# Altium PCB LimeSDR-PCIe_1v3.PcbDoc (part 3 of 10) (continued)
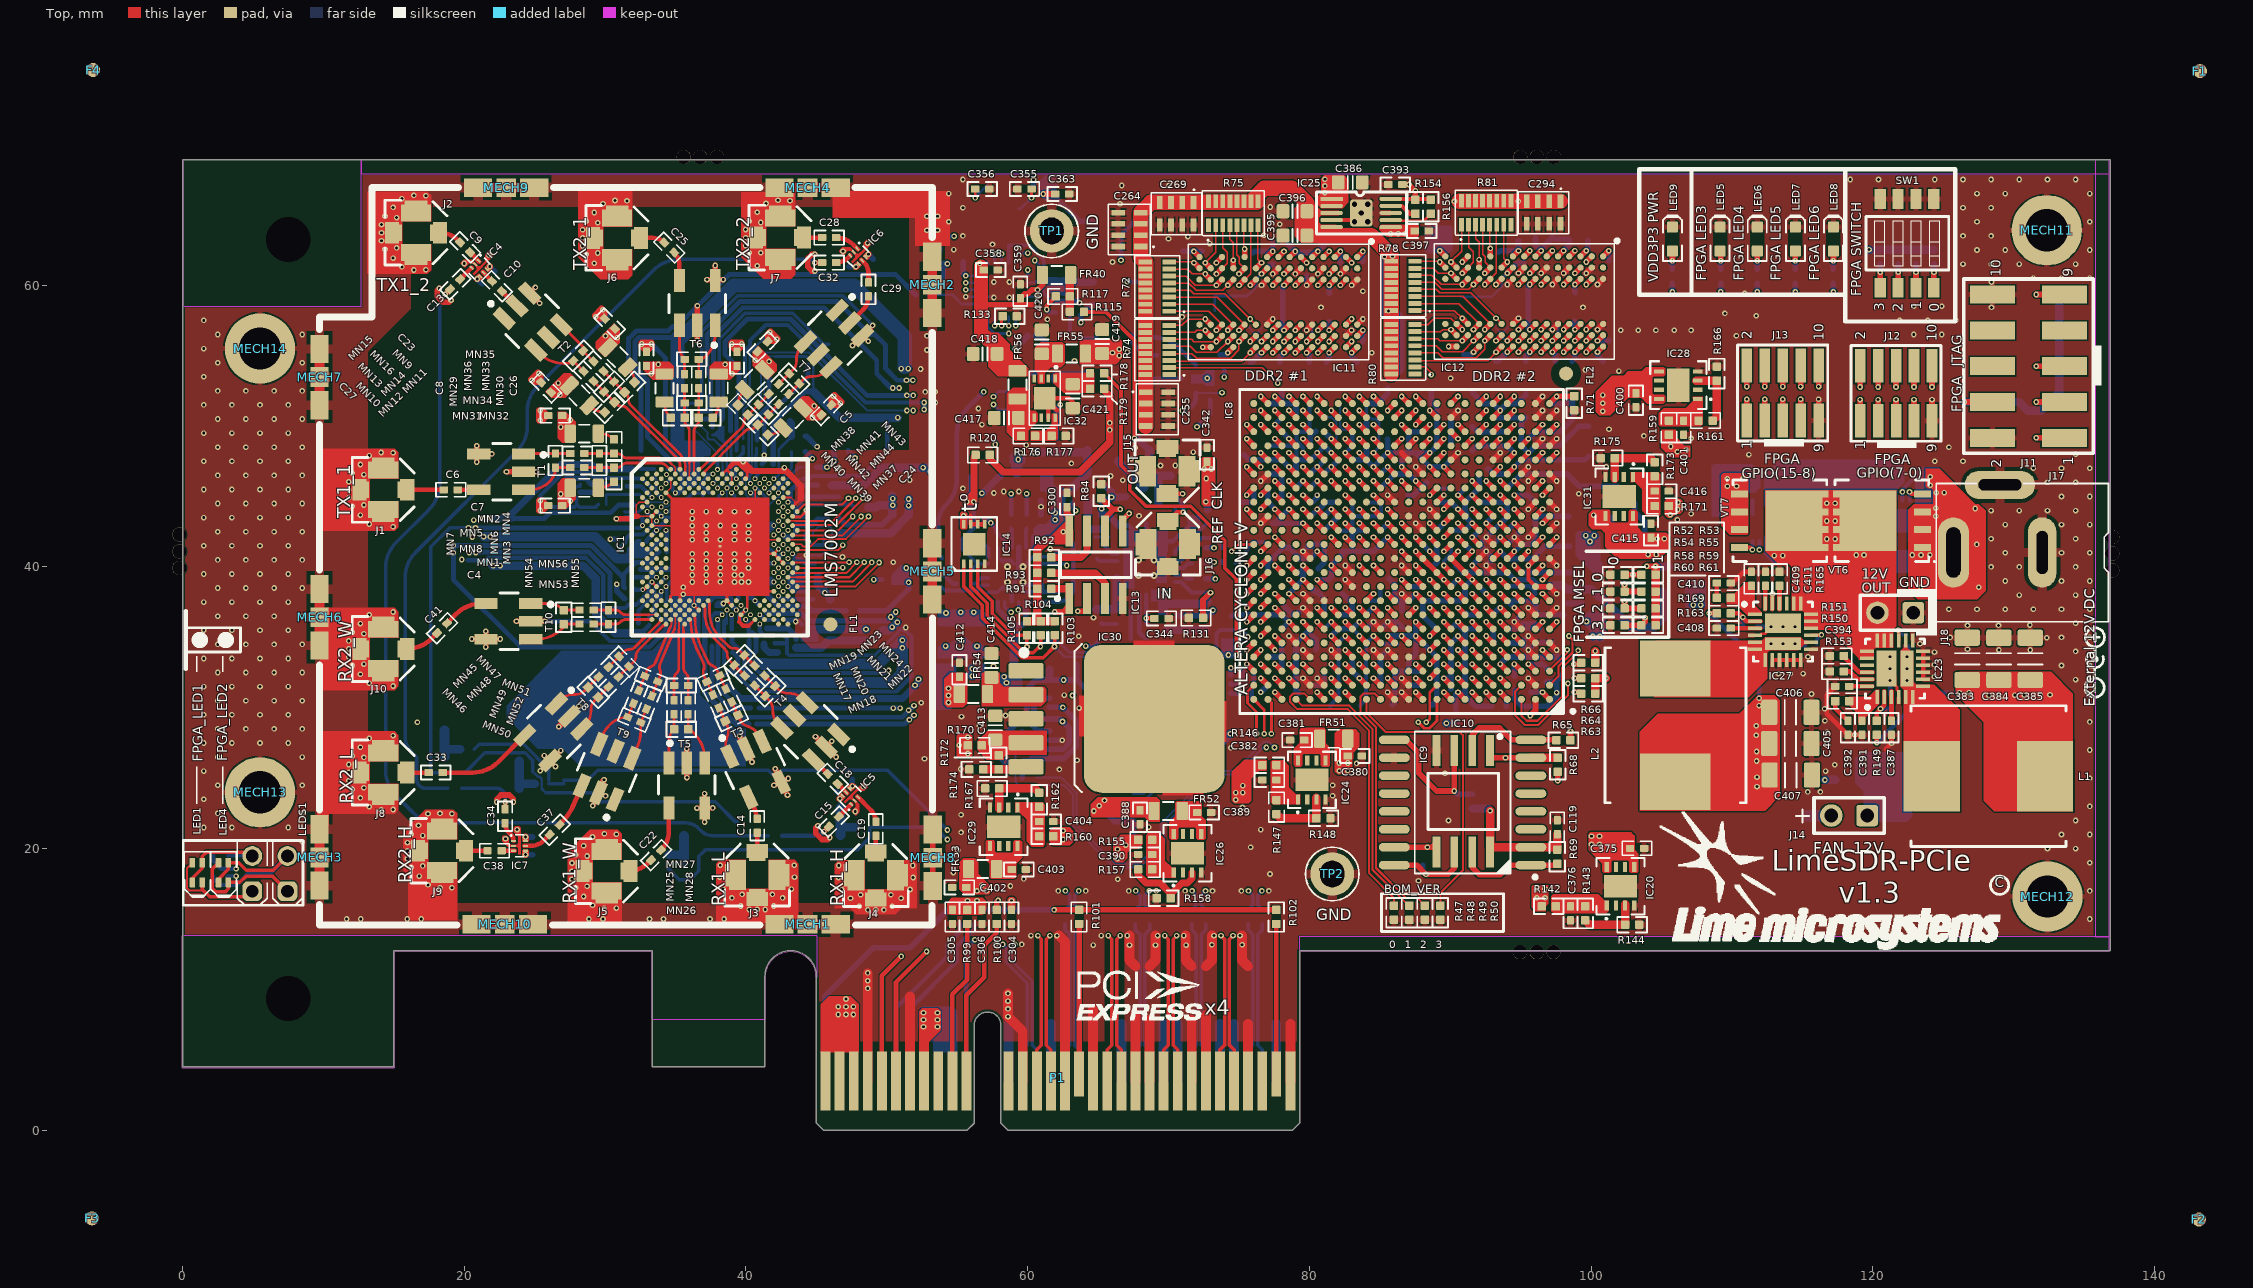
[diagram p0: Top view]
## Nets (pads, with @x,y where several pads share a name; then routed paths per layer and width w, separated by ;. In a path a pad name is that pad's centre, name@x,y a point inside that pad or via, vN(x,y) a via of type N, cw(c..) or ccw(c..) an arc to the next point about the centre after c; other vN are vias at no path point) (continued)
DDR2_1_DQ2: IC8.AB15 IC11.H7 | length 17.5
  Top w0.4: v1(77.4,56.8) IC11.H7@77.8,57.2 ; v1(82.55,52.1) IC8.AB15@83.05,51.6
  L3 w0.1: v1(77.4,56.8) 76.975,56.8 76.725,57.05 76.725,57.85 76.875,58 83.095,58 83.35,57.745 83.35,55.325 83.35,54.775 cw(c83.15,54.775) 83.15,54.575 ccw(c83.15,54.175) 82.75,54.175 ccw(c83.15,54.175) 83.15,53.775 83.35,53.775 83.55,53.775 cw(c83.55,53.375) 83.95,53.375 cw(c83.55,53.375) 83.55,52.975 ccw(c83.55,52.775) 83.35,52.775 83.35,52.575 83.35,52.4 83.05,52.1 v1(82.55,52.1)
DDR2_1_DQ3: IC8.Y13 IC11.H3 | length 17.1
  Top w0.4: v1(77.4,60) IC11.H3@77.8,60.4 ; v1(84.55,50.1) IC8.Y13@85.05,49.6
  L4 w0.1: v1(77.4,60) 77.8,59.6 78.65,59.6 79.15,59.1 79.15,58.5 79.2,58.45 79.2,58.442 80.275,57.367 80.275,53.587 81.2,52.662 81.2,49.955 81.605,49.55 84,49.55 v1(84.55,50.1)
DDR2_1_DQ4: IC8.Y14 IC11.H1 | length 17.2
  Top w0.4: IC11.H1@77.8,62 v1(78.2,62.4) ; v1(83.55,50.1) IC8.Y14@84.05,49.6
  L4 w0.1: v1(78.2,62.4) 78.5,62.4 79.4,61.5 79.4,58.525 80.925,57 80.925,53.725 81.925,52.725 81.925,50.15 82.325,49.75 83.2,49.75 v1(83.55,50.1)
DDR2_1_DQ5: IC8.W13 IC11.H9 | length 17.5
  Top w0.4: v1(77.4,55.2) IC11.H9@77.8,55.6 ; v1(84.55,49.1) IC8.W13@85.05,48.6
  L3 w0.1: v1(77.4,55.2) 76.975,55.625 76.53,55.625 76.25,55.345 76.25,52.917 76.9,52.267 76.9,48.972 77.397,48.475 83.925,48.475 v1(84.55,49.1)
DDR2_1_DQ6: IC8.W14 IC11.F1 | length 17.5
  Top w0.4: IC11.F1@79.4,62 v1(79.8,61.6) ; v1(83.55,49.1) IC8.W14@84.05,48.6
  L4 w0.1: v1(79.8,61.6) 81.095,61.6 81.85,60.845 81.85,59.855 83.35,58.355 83.35,55.675 84.9,54.125 84.9,49.945 84.055,49.1 v1(83.55,49.1)
DDR2_1_DQ7: IC8.W15 IC11.F9 | length 17.6
  Top w0.4: v1(79,55.2) IC11.F9@79.4,55.6 ; v1(82.55,49.1) IC8.W15@83.05,48.6
  L3 w0.1: v1(79,55.2) 79,55.45 78.8,55.65 78.025,55.65 77.775,55.4 77.775,55.075 77.55,54.85 76.675,54.85 76.45,54.625 76.45,53 77.1,52.35 77.1,51.055 77.9,50.255 77.9,49.955 77.2,49.255 77.2,48.955 77.48,48.675 78.63,48.675 79.405,49.45 79.695,49.45 80.47,48.675 82.125,48.675 v1(82.55,49.1)
DDR2_1_DQ8: IC8.AB18 IC11.C8 | length 17
  Top w0.4: v1(79.55,52.1) IC8.AB18@80.05,51.6 ; v1(81.4,56) IC11.C8@81.8,56.4
  L5 w0.1: v1(79.55,52.1) 79.925,52.475 79.925,54.75 80.2,55.025 80.2,56.895 79.6,57.495 79.6,58.917 79.833,59.15 83,59.15 83.25,58.9 83.25,58.625 82.275,57.65 82.275,55.875 82.1,55.7 81.708,55.7 81.408,56 v1(81.4,56)
DDR2_1_DQ9: IC8.AA16 IC11.C2 | length 17.2
  Top w0.4: v1(81.4,60.8) IC11.C2@81.8,61.2 ; v1(81.55,51.1) IC8.AA16@82.05,50.6
  L5 w0.1: v1(81.4,60.8) 81.095,60.8 80.75,61.145 80.75,61.675 80.925,61.85 82.755,61.85 82.855,61.95 83.145,61.95 83.45,61.645 83.45,52.505 82.045,51.1 v1(81.55,51.1)
DDR2_1_DQ10: IC8.AA18 IC11.D7 | length 17.5
  Top w0.4: v1(79.55,51.1) IC8.AA18@80.05,50.6 ; v1(80.6,56.8) IC11.D7@81,57.2
  L3 w0.1: v1(79.55,51.1) 79.55,50.725 79.275,50.45 78.2,50.45 77.975,50.675 77.975,51.375 78.325,51.725 78.95,51.725 79.2,51.975 79.2,52.35 ccw(c78.9,52.35) 78.9,52.65 77.8,52.65 cw(c77.8,53.05) 77.4,53.05 cw(c77.8,53.05) 77.8,53.45 79.2,53.45 80.6,53.45 ccw(c80.6,53.85) 81,53.85 ccw(c80.6,53.85) 80.6,54.25 79.6,54.25 cw(c79.6,54.65) 79.2,54.65 79.2,54.905 79.45,55.155 79.45,56.145 79.655,56.35 80.15,56.35 v1(80.6,56.8)
DDR2_1_DQ11: IC8.Y15 IC11.D3 | length 17.1
  Top w0.4: v1(80.6,60) IC11.D3@81,60.4 ; v1(82.55,50.1) IC8.Y15@83.05,49.6
  L4 w0.1: v1(80.6,60) 81,59.6 81.575,59.6 82.525,58.65 82.525,58.5 cw(c82.125,58.5) 82.125,58.1 81.725,58.1 ccw(c81.725,57.7) 81.325,57.7 ccw(c81.725,57.7) 81.725,57.3 82.125,57.3 cw(c82.125,56.9) 82.525,56.9 82.525,54.875 83.025,54.375 83.025,54.175 ccw(c83.425,54.175) 83.425,53.775 84.3,53.775 cw(c84.3,53.375) 84.7,53.375 cw(c84.3,53.375) 84.3,52.975 83.425,52.975 ccw(c83.425,52.575) 83.025,52.575 83.025,52.175 83.025,51.775 83.025,50.575 v1(82.55,50.1)
DDR2_1_DQ12: IC8.Y16 IC11.D1 | length 17.1
  Top w0.4: IC11.D1@81,62 v1(81.4,62.4) ; v1(81.55,50.1) IC8.Y16@82.05,49.6
  L5 w0.1: v1(81.4,62.4) 81.75,62.05 82.672,62.05 82.772,62.15 83.228,62.15 84.15,61.228 84.15,56.6 83.9,56.35 83.9,51.955 83.58,51.635 83.58,51.625 82.055,50.1 v1(81.55,50.1)
DDR2_1_DQ13: IC8.Y18 IC11.D9 | length 17.3
  Top w0.4: v1(79.55,50.1) IC8.Y18@80.05,49.6 ; v1(80.6,55.2) IC11.D9@81,55.6
  L5 w0.1: v1(79.55,50.1) 78.925,49.475 78.925,47.175 79.35,46.75 79.695,46.75 80.2,47.255 80.2,49.245 80.975,50.02 80.975,52.025 81.4,52.45 82.122,52.45 82.45,52.778 82.45,54.675 81.5,55.625 81.025,55.625 v1(80.6,55.2)
DDR2_1_DQ14: IC8.Y19 IC11.B1 | length 17
  Top w0.4: v1(78.55,50.1) IC8.Y19@79.05,49.6 ; IC11.B1@82.6,62 v1(83,61.6)
  L5 w0.1: v1(78.55,50.1) 79.2,50.75 79.2,52.245 79.4,52.445 79.4,52.675 ccw(c79,52.675) 79,53.075 cw(c79,53.475) 78.6,53.475 cw(c79,53.475) 79,53.875 ccw(c79,54.275) 79.4,54.275 79.4,54.525 79.4,59.275 79.775,59.65 82.32,59.65 82.575,59.905 82.575,61.175 v1(83,61.6)
DDR2_1_DQ15: IC8.W17 IC11.B9 | length 17
  Top w0.4: v1(80.55,49.1) IC8.W17@81.05,48.6 ; IC11.B9@82.6,55.6 v1(83,56)
  L5 w0.1: v1(80.55,49.1) 80.55,48.605 81.405,47.75 83.695,47.75 83.9,47.955 83.9,49.245 83.695,49.45 81.35,49.45 81.2,49.6 81.2,51.245 81.405,51.45 82.8,52.845 82.8,54.925 82.65,55.075 82.65,55.65 v1(83,56)
DDR2_1_DQS0: IC8.T13 IC11.F7 | length 19.2
  Top w0.4: v1(79,56.8) IC11.F7@79.4,57.2 ; v1(84.55,46.1) IC8.T13@85.05,45.6
  L8 w0.1: v1(79,56.8) 78.625,56.425 75.7,56.425 75.425,56.15 75.425,54.73 84.055,46.1 v1(84.55,46.1)
DDR2_1_DQS0N: IC11.E8 R76.2 | length 2.1
  Top w0.4: v1(79.8,56) IC11.E8@80.2,56.4
  Bottom w0.2: v1(79.8,56) 80.2,56.4 R76.2@80.2,57.4
DDR2_1_DQS1: IC8.AA15 IC11.B7 | length 8.4
  Top w0.4: v1(82.55,51.1) IC8.AA15@83.05,50.6 ; IC11.B7@82.6,57.2 v1(83,57.6)
  L9 w0.1: v1(82.55,51.1) 82.05,51.6 82.05,56.65 v1(83,57.6)
DDR2_1_DQS1N: IC11.A8 R77.2 | length 1.4
  Top w0.4: IC11.A8@83.4,56.4 v1(83.8,56.8)
  Bottom w0.4: R77.2@83.8,56 v1(83.8,56.8)
DDR2_1_ODT: IC8.R21 IC11.K9 R74.3 | length 19.7
  Top w0.1: R74.3@70.05,54.65 70.1,54.6 75.2,54.6 v1(75.8,55.2)
  Top w0.4: v1(75.8,55.2) IC11.K9@76.2,55.6 ; v1(76.55,44.1) IC8.R21@77.05,44.6
  L5 w0.1: v1(75.8,55.2) 75,54.4 75,47.145 76.95,45.195 76.95,44.5 v1(76.55,44.1)
DDR2_1_RASN: IC8.T21 IC11.K7 R72.4 | length 21.5
  Top w0.1: R72.4@70.05,59.65 71.55,59.65 71.8,59.4 74,59.4 v1(75.8,57.6) IC11.K7@76.2,57.2
  Top w0.4: v1(76.55,45.1) IC8.T21@77.05,45.6
  L5 w0.1: v1(75.8,57.6) 75.8,56.475 75.375,56.05 75.375,55.475 74.8,54.9 74.8,46.85 v1(76.55,45.1)
DDR2_1_WEN: IC8.V20 IC11.K3 R74.2 | length 22.6
  Top w0.1: R74.2@70.05,54.15 76.65,54.15 v1(77.75,53.05)
  Top w0.4: v1(75.8,60) IC11.K3@76.2,60.4 ; v1(77.55,48.1) IC8.V20@78.05,47.6
  L5 w0.1: v1(75.8,60) 77.825,57.975 77.825,53.125 v1(77.75,53.05) 77.2,52.5 77.2,48.45 v1(77.55,48.1)
DDR2_2_A0: IC8.M13 IC12.M8 R80.5 | length 27.9
  Top w0.1: R80.5@87.5,55.7 89,55.7 89.425,55.275 90.875,55.275 v1(91.65,56.05)
  Top w0.4: v1(84.55,42.1) IC8.M13@85.05,41.6 ; v1(91.65,56.05) IC12.M8@92.05,56.45
  L4 w0.1: v1(84.55,42.1) 84.85,42.4 86.008,42.4 86.183,42.575 87.525,42.575 88.35,41.75 89.725,41.75 90.955,42.98 90.955,53.38 91.195,53.62 91.605,53.62 91.8,53.816 91.8,54.525 91.5,54.825 91.155,54.825 90.955,55.025 90.955,55.33 91.65,56.025 v1(91.65,56.05)
DDR2_2_A1: IC8.P14 IC12.M3 R78.5 | length 28
  Top w0.1: R78.5@87.5,60.2 88.9,60.2 89.4,59.7 91.3,59.7 v1(91.65,60.05)
  Top w0.4: v1(83.55,44.1) IC8.P14@84.05,43.6 ; v1(91.65,60.05) IC12.M3@92.05,60.45
  L4 w0.1: v1(83.55,44.1) 84.1,44.65 87.025,44.65 87.983,45.608 87.983,58.016 88.542,58.575 90.55,58.575 91.65,59.675 v1(91.65,60.05)
DDR2_2_A2: IC8.M14 IC12.M7 R78.2 | length 28.3
  Top w0.1: R78.2@87.5,58.7 90.6,58.7 IC12.M7@92.05,57.25
  Top w0.4: v1(83.55,42.1) IC8.M14@84.05,41.6 ; v1(91.65,56.85) IC12.M7@92.05,57.25
  L4 w0.1: v1(83.55,42.1) 84.05,42.6 85.925,42.6 86.1,42.775 87.9,42.775 88.225,42.45 89.95,42.45 90.175,42.675 90.175,52.22 90.725,52.77 90.725,55.425 91.275,55.975 91.275,56.475 v1(91.65,56.85)
DDR2_2_A3: IC8.T11 IC12.N2 R81.2 | length 28
  Top w0.1: IC12.N2@91.25,61.25 91.625,61.625 91.625,62.375 91.3,62.7 R81.2@91.3,64.3
  Top w0.4: v1(86.55,46.1) IC8.T11@87.05,45.6 ; v1(90.85,60.85) IC12.N2@91.25,61.25
  L4 w0.1: v1(86.55,46.1) 86.775,46.1 87,46.325 87,47.45 87,47.458 ccw(c86.704,47.458) 86.704,47.754 cw(c86.704,48.058) 86.4,48.058 cw(c86.704,48.058) 86.704,48.362 ccw(c86.704,48.658) 87,48.658 87,48.97 87,49.275 87,52.225 87,52.425 ccw(c86.8,52.425) 86.8,52.625 cw(c86.8,53.025) 86.4,53.025 cw(c86.8,53.025) 86.8,53.425 ccw(c86.8,53.625) 87,53.625 87,54.225 87,54.525 87,56.2 86.4,56.8 86.4,57.201 88.174,58.975 90.384,58.975 90.65,59.241 90.65,59.5 90.182,59.968 90.182,60.207 90.375,60.4 91.65,60.4 91.8,60.55 91.8,61.45 91.675,61.575 91.27,61.575 90.85,61.155 v1(90.85,60.85)
DDR2_2_A4: IC8.N13 IC12.N8 R80.6 | length 28.1
  Top w0.1: R80.6@87.5,56.2 89.1,56.2 89.25,56.05 v1(90.85,56.05)
  Top w0.4: v1(84.55,43.1) IC8.N13@85.05,42.6 ; v1(90.85,56.05) IC12.N8@91.25,56.45
  L4 w0.1: v1(84.55,43.1) 84.85,42.8 85.745,42.8 86.125,43.18 86.125,43.484 86.491,43.85 87.792,43.85 88.028,43.615 88.028,43.128 88.328,42.828 ccw(c88.756,43.256) 88.756,42.65 89.867,42.65 89.975,42.758 89.975,42.957 ccw(c89.448,42.957) 89.821,43.329 cw(c89.991,43.5) 89.75,43.5 cw(c90.172,43.5) 89.874,43.799 89.904,43.829 ccw(c89.734,44) 89.975,44 ccw(c89.565,44) 89.855,44.29 89.81,44.335 cw(c89.955,44.48) 89.75,44.48 89.75,44.575 cw(c89.931,44.575) 89.803,44.703 ; 89.559,52.859 ccw(c89.943,52.475) 89.4,52.475 89.4,52.025 ccw(c89.822,52.025) 89.524,51.726 89.888,51.362 cw(c89.676,51.151) 89.975,51.151 cw(c89.682,51.151) 89.89,50.945 ; 89.559,52.859 89.576,52.876 cw(c89.875,52.578) 89.875,53 90.119,53 ccw(c90.119,53.256) 90.3,53.075 90.384,53.159 ccw(c90.042,53.5) 90.525,53.5 ccw(c90.103,53.5) 90.401,53.799 cw(c90.646,54.043) 90.3,54.043 cw(c90.558,54.043) 90.376,54.226 ccw(c90.015,54.586) 90.525,54.586 90.525,54.863 ccw(c90.013,54.863) 90.375,55.225 cw(c90.715,55.565) 90.234,55.565 90.234,55.946 cw(c90.629,55.946) 90.35,56.225 90.354,56.229 cw(c90.525,56.059) 90.525,56.3 90.6,56.3 cw(c90.6,56.05) v1(90.85,56.05) ; 89.781,45.444 cw(c89.311,44.975) 89.975,44.975 cw(c89.734,44.975) 89.904,44.804 89.803,44.703 ; 89.781,45.444 89.549,45.676 cw(c89.847,45.975) 89.425,45.975 cw(c89.847,45.975) 89.549,46.274 89.806,46.531 ccw(c89.399,46.939) 89.975,46.939 ccw(c89.416,46.939) 89.811,47.334 cw(c89.96,47.482) 89.75,47.482 cw(c90.096,47.482) 89.851,47.726 ccw(c89.553,48.025) 89.975,48.025 ccw(c89.625,48.025) 89.872,48.272 89.835,48.31 cw(c90.04,48.515) 89.75,48.515 89.75,48.55 cw(c89.991,48.55) 89.821,48.721 89.892,48.792 ccw(c89.692,48.992) 89.975,48.992 ccw(c89.546,48.992) 89.849,49.296 cw(c90.029,49.475) 89.775,49.475 cw(c90.137,49.475) 89.881,49.731 89.887,49.737 ccw(c89.673,49.95) 89.975,49.95 89.975,50.06 ccw(c89.709,50.06) 89.897,50.248 89.707,50.438 cw(c89.843,50.575) 89.65,50.575 cw(c89.964,50.575) 89.742,50.797 89.889,50.944
DDR2_2_A5: IC8.N15 IC12.N3 R78.6 | length 28
  Top w0.1: R78.6@87.5,60.7 88.7,60.7 89.35,60.05 v1(90.85,60.05)
  Top w0.4: v1(82.55,43.1) IC8.N15@83.05,42.6 ; v1(90.85,60.05) IC12.N3@91.25,60.45
  L4 w0.1: v1(82.55,43.1) 82.55,43.605 84.395,45.45 86.9,45.45 87.2,45.75 87.2,57.719 88.256,58.775 90.467,58.775 90.85,59.158 v1(90.85,60.05)
DDR2_2_A6: IC8.M15 IC12.N7 R78.1 | length 28.2
  Top w0.1: R78.1@87.5,58.2 90.3,58.2 v1(90.85,57.65)
  Top w0.4: v1(82.55,42.1) IC8.M15@83.05,41.6 ; v1(90.85,57.65) IC12.N7@91.25,57.25
  L4 w0.1: v1(82.55,42.1) 83.055,42.1 84.405,43.45 85.808,43.45 86.408,44.05 87.875,44.05 88.25,43.675 88.8,43.675 89.2,44.075 89.2,52.95 89.513,53.263 89.513,53.763 90.1,54.35 90.1,54.939 89.534,55.505 89.534,55.909 90.125,56.5 90.995,56.5 91.2,56.705 91.2,57.3 v1(90.85,57.65)
DDR2_2_A7: IC8.M16 IC12.P2 R81.1 | length 27.9
  Top w0.1: v1(90.05,61.65) 90.8,62.4 R81.1@90.8,64.3
  Top w0.4: v1(81.55,42.1) IC8.M16@82.05,41.6 ; v1(90.05,61.65) IC12.P2@90.45,61.25
  L4 w0.1: v1(81.55,42.1) 82.2,42.75 82.2,46.245 83.405,47.45 84.395,47.45 85.8,48.855 85.8,57.45 90,61.65 v1(90.05,61.65)
DDR2_2_A8: IC8.P13 IC12.P8 R80.7 | length 28.2
  Top w0.1: R80.7@87.5,56.7 89.3,56.7 89.45,56.85 v1(90.05,56.85)
  Top w0.4: v1(84.55,44.1) IC8.P13@85.05,43.6 ; v1(90.05,56.85) IC12.P8@90.45,56.45
  L4 w0.1: v1(84.55,44.1) 84.55,43.8 84.7,43.65 85.725,43.65 86.325,44.25 87.7,44.25 88.025,44.575 88.75,44.575 89,44.825 89,45.2 88.4,45.8 88.4,46.4 89,47 89,51.275 88.475,51.8 88.475,52.675 89,53.2 89,54 cw(c89.325,54) 89.325,54.325 89.466,54.325 ccw(c89.466,54.725) 89.866,54.725 ccw(c89.466,54.725) 89.466,55.125 89,55.125 88.783,55.125 cw(c88.783,55.525) 88.383,55.525 cw(c88.783,55.525) 88.783,55.925 89,55.925 89.102,55.925 ccw(c89.102,56.325) 89.502,56.325 ccw(c89.102,56.325) 89.102,56.725 cw(c89.102,56.827) 89,56.827 89,57.125 89,57.75 89.225,57.975 90,57.975 90.225,57.75 90.225,57.025 v1(90.05,56.85)
DDR2_2_A9: IC8.P15 IC12.P3 R78.7 | length 28.3
  Top w0.1: R78.7@87.5,61.2 88.8,61.2 89.15,60.85 v1(90.05,60.85)
  Top w0.4: v1(82.55,44.1) IC8.P15@83.05,43.6 ; v1(90.05,60.85) IC12.P3@90.45,60.45
  L4 w0.1: v1(82.55,44.1) 82.762,44.1 83.6,44.938 83.6,45.3 83.1,45.8 83.1,46.325 83.225,46.45 85.9,46.45 86.2,46.75 86.2,52.7 86.2,53.1 86.2,53.7 cw(c86.4,53.7) 86.4,53.9 ccw(c86.4,54.3) 86.8,54.3 ccw(c86.4,54.3) 86.4,54.7 cw(c86.4,54.9) 86.2,54.9 86.2,55.3 cw(c86.4,55.3) 86.4,55.5 ccw(c86.4,55.9) 86.8,55.9 ccw(c86.4,55.9) 86.4,56.3 cw(c86.4,56.5) 86.2,56.5 86.2,57.1 86.2,57.284 86.483,57.567 ; 86.358,57.442 86.483,57.567 ; v1(90.05,60.85) 89.982,60.782 89.982,59.632 89.525,59.175 88.091,59.175 86.483,57.567
DDR2_2_A10: IC8.R15 IC12.M2 R81.3 | length 27.9
  Top w0.1: R81.3@91.8,64.3 91.8,63.3 92.05,63.05 v1(92.05,61.816)
  Top w0.4: v1(82.55,45.1) IC8.R15@83.05,44.6 ; IC12.M2@92.05,61.25 v1(92.05,61.816)
  L4 w0.1: v1(82.55,45.1) 82.9,45.45 82.9,46.45 83.1,46.65 85.595,46.65 86,47.055 86,57.367 89.908,61.275 90.175,61.275 90.5,61.6 90.5,62.1 90.925,62.525 91.55,62.525 92.05,62.025 v1(92.05,61.816)
DDR2_2_A11: IC8.N14 IC12.P7 R80.8 | length 28
  Top w0.1: R80.8@87.5,57.2 88.4,57.2 88.85,57.65 90.05,57.65 IC12.P7@90.45,57.25
  Top w0.4: v1(83.55,43.1) IC8.N14@84.05,42.6 ; IC12.P7@90.45,57.25 v1(90.85,56.85)
  L4 w0.1: v1(83.55,43.1) 83.125,43.1 83,43.225 83,43.55 83.175,43.725 83.67,43.725 84.395,44.45 84.695,44.45 87.275,44.45 88.183,45.358 88.183,57.933 88.625,58.375 90.225,58.375 90.5,58.1 90.5,57.2 v1(90.85,56.85)
DDR2_2_A12: IC8.N17 IC12.R2 R78.8 | length 28
  Top w0.1: R78.8@87.5,61.7 89.2,61.7 v1(89.25,61.65)
  Top w0.4: v1(80.55,43.1) IC8.N17@81.05,42.6 ; v1(89.25,61.65) IC12.R2@89.65,61.25
  L4 w0.1: v1(80.55,43.1) 80.55,43.595 82,45.045 82,48.4 82.2,48.6 84.625,48.6 85.125,49.1 85.125,59.85 85.35,60.075 87.675,60.075 v1(89.25,61.65)
DDR2_2_BA0: IC8.AB13 IC12.L2 R81.4 | length 16.6
  Top w0.1: R81.4@92.3,64.3 92.3,62.2 92.475,62.025 92.475,61.625 IC12.L2@92.85,61.25
  Top w0.4: v1(84.55,52.1) IC8.AB13@85.05,51.6 ; v1(92.45,60.85) IC12.L2@92.85,61.25
  L5 w0.1: v1(84.55,52.1) 89.3,56.85 89.3,57.183 92.1,59.983 92.1,60.4 92.45,60.75 v1(92.45,60.85)
DDR2_2_BA1: IC8.AA13 IC12.L3 R81.6 | length 17.5
  Top w0.1: IC12.L3@92.85,60.45 93.275,60.875 93.275,64.3 R81.6@93.3,64.3
  Top w0.4: v1(84.55,51.1) IC8.AA13@85.05,50.6 ; v1(92.45,60.05) IC12.L3@92.85,60.45
  L5 w0.1: v1(84.55,51.1) 89.7,56.25 89.7,57.3 v1(92.45,60.05)
DDR2_2_BA2: IC8.AA4 IC12.L1 R81.5 | length 16.3
  Top w0.1: R81.5@92.8,64.3 92.8,62.666 v1(92.85,62.616)
  Top w0.4: IC12.L1@92.85,62.05 v1(92.85,62.616) ; IC8.AA4@94.05,50.6 v1(94.55,51.1)
  L5 w0.1: v1(92.85,62.616) 93.659,62.616 95.3,60.975 95.3,51.85 v1(94.55,51.1)
DDR2_2_CASN: IC8.R19 IC12.L7 R78.3 | length 27.7
  Top w0.1: R78.3@87.5,59.2 90.9,59.2 IC12.L7@92.85,57.25
  Top w0.4: v1(78.55,45.1) IC8.R19@79.05,44.6 ; v1(92.45,56.85) IC12.L7@92.85,57.25
  L5 w0.1: v1(78.55,45.1) 79.045,45.1 81.495,47.55 83.778,47.55 84.2,47.972 84.2,49.25 85.9,50.95 85.9,52.161 90.189,56.45 92.05,56.45 v1(92.45,56.85)
DDR2_2_CK_N: IC8.Y4 IC12.K8 R79.2 | length 23.1
  Top w0.4: v1(93.25,56.05) IC12.K8@93.65,56.45 ; IC8.Y4@94.05,49.6 v1(94.55,50.1)
  L8 w0.1: v1(93.25,56.05) 93.7,55.6 93.7,55 94,54.7 94,52.8 94.3,52.5 94.56,52.5 ccw(c94.56,52.904) 94.964,52.904 94.964,53.566 cw(c95.168,53.566) 95.372,53.566 95.372,51.634 ccw(c95.776,51.634) 96.18,51.634 96.18,53.566 cw(c96.384,53.566) 96.588,53.566 96.588,52.904 ccw(c96.992,52.904) 96.992,52.5 97.775,52.5 98.075,52.2 98.075,50 97.775,49.7 94.95,49.7 v1(94.55,50.1)
  Bottom w0.1: R79.2@93.15,57.05 93.55,56.65 93.55,56.25 93.35,56.05 v1(93.25,56.05)
DDR2_2_CK_P: IC8.W4 IC12.J8 R79.1 | length 23.4
  Top w0.4: IC8.W4@94.05,48.6 v1(94.55,49.1) ; v1(94.05,56.05) IC12.J8@94.45,56.45
  L8 w0.1: v1(94.05,56.05) 94.5,55.6 94.5,55 94.2,54.7 94.2,52.883 94.383,52.7 94.56,52.7 ccw(c94.56,52.904) 94.764,52.904 94.764,53.566 cw(c95.168,53.566) 95.572,53.566 95.572,51.634 ccw(c95.776,51.634) 95.98,51.634 95.98,53.566 cw(c96.384,53.566) 96.788,53.566 96.788,52.904 ccw(c96.992,52.904) 96.992,52.7 97.858,52.7 98.275,52.283 98.275,49.917 97.858,49.5 94.95,49.5 v1(94.55,49.1)
  Bottom w0.1: v1(94.05,56.05) 93.95,56.05 93.75,56.25 93.75,56.65 R79.1@94.15,57.05
DDR2_2_CKE: IC8.T14 IC12.K2 R81.7 | length 26.3
  Top w0.1: R81.7@93.8,64.3 93.8,61.9 v1(94.05,61.65)
  Top w0.4: v1(83.55,46.1) IC8.T14@84.05,45.6 ; IC12.K2@93.65,61.25 v1(94.05,61.65)
  L5 w0.1: v1(83.55,46.1) 84.045,46.1 85.2,47.255 85.2,49.245 89.93,53.975 92.47,53.975 93.6,55.105 93.6,56.775 92.85,57.525 92.85,58.875 93.7,59.725 93.7,61.3 v1(94.05,61.65)
DDR2_2_CSN: IC8.AB11 IC12.L8 R80.4 | length 15.2
  Top w0.1: R80.4@87.5,55.2 89.1,55.2 89.45,54.85 91.85,54.85 92.45,55.45 v1(92.45,56.05)
  Top w0.4: v1(86.55,52.1) IC8.AB11@87.05,51.6 ; v1(92.45,56.05) IC12.L8@92.85,56.45
  L5 w0.1: v1(86.55,52.1) 89.15,54.7 91.792,54.7 92.45,55.358 v1(92.45,56.05)
DDR2_2_DM0: IC8.W7 IC12.F3 | length 16.5
  Top w0.4: IC8.W7@91.05,48.6 v1(91.55,49.1) ; v1(96.45,60.05) IC12.F3@96.85,60.45
  L5 w0.1: v1(91.55,49.1) 91.55,49.595 92.405,50.45 95.733,50.45 96.2,50.917 96.2,54.2 96.8,54.8 96.8,59.7 v1(96.45,60.05)
DDR2_2_DM1: IC8.W12 IC12.B3 | length 24
  Top w0.4: IC8.W12@86.05,48.6 v1(86.55,49.1) ; v1(99.65,60.05) IC12.B3@100.05,60.45
  L5 w0.1: v1(86.55,49.1) 87.1,48.55 95.495,48.55 100.025,53.08 100.025,59.675 v1(99.65,60.05)
DDR2_2_DQ0: IC8.AB4 IC12.G8 | length 21.9
  Top w0.4: IC8.AB4@94.05,51.6 v1(94.55,52.1) ; v1(95.65,56.05) IC12.G8@96.05,56.45
  L4 w0.1: v1(94.55,52.1) 94.1,51.65 94.1,50.95 94.35,50.7 98.442,50.7 99.2,51.458 99.2,52 99.2,52.375 ccw(c98.8,52.375) 98.8,52.775 98.6,52.775 cw(c98.6,53.175) 98.2,53.175 cw(c98.6,53.175) 98.6,53.575 99.2,53.575 99.8,53.575 ccw(c99.8,53.975) 100.2,53.975 ccw(c99.8,53.975) 99.8,54.375 99.6,54.375 cw(c99.6,54.775) 99.2,54.775 99.2,57.375 98.925,57.65 96.35,57.65 96.05,57.35 96.05,56.45 v1(95.65,56.05)
DDR2_2_DQ1: IC8.AB5 IC12.G2 | length 21.6
  Top w0.4: IC8.AB5@93.05,51.6 v1(93.55,52.1) ; v1(95.65,60.85) IC12.G2@96.05,61.25
  L4 w0.1: v1(93.55,52.1) 93.7,52.25 93.7,61 93.9,61.2 94.275,61.2 94.475,61 94.475,59.575 95.075,58.975 97.925,58.975 98.5,59.55 98.5,60.895 98.195,61.2 96,61.2 v1(95.65,60.85)
DDR2_2_DQ2: IC8.AA6 IC12.H7 | length 21.7
  Top w0.4: IC8.AA6@92.05,50.6 v1(92.55,51.1) ; v1(94.85,56.85) IC12.H7@95.25,57.25
  L4 w0.1: v1(92.55,51.1) 93.05,51.1 93.4,50.75 94.017,50.75 94.267,50.5 98.525,50.5 100.825,52.8 100.825,56.97 99.945,57.85 95.85,57.85 v1(94.85,56.85)
DDR2_2_DQ3: IC8.Y5 IC12.H3 | length 21.7
  Top w0.4: IC8.Y5@93.05,49.6 v1(93.55,50.1) ; v1(94.85,60.05) IC12.H3@95.25,60.45
  L4 w0.1: v1(93.55,50.1) 93.045,50.1 92.695,50.45 92.025,50.45 91.9,50.575 91.9,53.35 92.75,54.2 92.75,62.021 93.2,62.471 93.2,63.125 93.525,63.45 94.85,63.45 95.2,63.1 95.2,60.4 v1(94.85,60.05)
DDR2_2_DQ4: IC8.Y6 IC12.H1 | length 21.8
  Top w0.4: IC8.Y6@92.05,49.6 v1(92.55,50.1) ; IC12.H1@95.25,62.05 v1(95.65,62.45)
  L4 w0.1: v1(92.55,50.1) 91.475,50.1 91.155,50.42 91.155,52.888 92,53.733 92,61.125 92.45,61.575 92.45,63.075 92.125,63.4 92.125,63.75 92.4,64.025 95.325,64.025 95.65,63.7 v1(95.65,62.45)
DDR2_2_DQ5: IC8.Y7 IC12.H9 | length 22
  Top w0.4: v1(90.55,50.1) IC8.Y7@91.05,49.6 ; v1(94.85,55.25) IC12.H9@95.25,55.65
  L3 w0.1: v1(90.55,50.1) 90.55,50.475 90.725,50.65 91.025,50.65 91.25,50.425 91.25,49.95 91.425,49.775 91.825,49.775 92.025,49.975 92.025,51.4 92.325,51.7 92.8,51.7 93.1,51.4 93.1,50.625 93.275,50.45 93.925,50.45 94.1,50.625 94.1,52.275 95.35,53.525 97.35,53.525 97.7,53.875 97.7,55.425 97.425,55.7 97.025,55.7 96.8,55.925 96.8,56.3 96.6,56.5 96.25,56.5 96.1,56.65 96.1,57.275 95.941,57.434 95.739,57.434 95.2,56.895 95.2,55.6 v1(94.85,55.25)
DDR2_2_DQ6: IC8.W5 IC12.F1 | length 22.1
  Top w0.4: IC8.W5@93.05,48.6 v1(93.55,49.1) ; IC12.F1@96.85,62.05 v1(97.25,62.45)
  L3 w0.1: v1(93.55,49.1) 94.045,49.1 95.9,50.955 95.9,52.3 96.475,52.875 97.65,52.875 99.3,54.525 99.3,57.2 100.8,58.7 100.8,61.8 99.8,62.8 97.6,62.8 v1(97.25,62.45)
DDR2_2_DQ7: IC8.W6 IC12.F9 | length 21.6
  Top w0.4: IC8.W6@92.05,48.6 v1(92.55,49.1) ; v1(96.45,55.25) IC12.F9@96.85,55.65
  L4 w0.1: v1(92.55,49.1) 92.9,48.75 93.7,48.75 93.925,48.975 93.925,50.22 93.695,50.45 93.405,50.45 93.105,50.75 92.405,50.75 92.1,51.055 92.1,53.225 92.375,53.5 92.925,53.5 93.2,53.225 93.2,51.955 93.405,51.75 93.695,51.75 94.395,52.45 97.725,52.45 97.95,52.675 97.95,53.625 98.5,54.175 98.5,55.375 98.2,55.675 96.875,55.675 v1(96.45,55.25)
DDR2_2_DQ8: IC8.AB6 IC12.C8 | length 21.9
  Top w0.4: IC8.AB6@92.05,51.6 v1(92.55,52.1) ; v1(98.85,56.05) IC12.C8@99.25,56.45
  L3 w0.1: v1(92.55,52.1) 92.9,52.45 93.85,52.45 94.425,53.025 94.425,53.2 94.425,53.6 cw(c94.825,53.6) 94.825,54 96.025,54 ccw(c96.025,54.4) 96.425,54.4 ccw(c96.025,54.4) 96.025,54.8 94.825,54.8 cw(c94.825,55.2) 94.425,55.2 94.425,56.95 94.775,57.3 95.3,57.3 95.575,57.575 95.575,58.05 95.75,58.225 98.825,58.225 99.025,58.025 99.025,57.6 98.925,57.5 97.15,57.5 96.85,57.2 96.85,56.6 97.025,56.425 98.475,56.425 v1(98.85,56.05)
DDR2_2_DQ9: IC8.W9 IC12.C2 | length 22.2
  Top w0.4: IC8.W9@89.05,48.6 v1(89.55,49.1) ; v1(98.85,60.85) IC12.C2@99.25,61.25
  L3 w0.1: v1(89.55,49.1) 89.2,49.45 89.2,51.5 91.225,53.525 91.225,56.75 91.225,56.93 91.225,57.234 cw(c91.529,57.234) 91.529,57.538 91.937,57.538 ccw(c91.937,57.842) 92.241,57.842 ccw(c91.937,57.842) 91.937,58.146 91.529,58.146 cw(c91.529,58.45) 91.225,58.45 91.225,58.675 91.85,59.3 97.875,59.3 98.4,59.825 98.4,60.4 v1(98.85,60.85)
DDR2_2_DQ10: IC8.Y9 IC12.D7 | length 21.9
  Top w0.4: IC8.Y9@89.05,49.6 v1(89.55,50.1) ; v1(98.05,56.85) IC12.D7@98.45,57.25
  L3 w0.1: v1(89.55,50.1) 89.55,50.675 90.425,51.55 91.495,51.55 93.6,53.655 93.6,58.025 94.15,58.575 98.953,58.575 99.378,59 100.1,59 100.296,58.804 100.296,58.479 99.117,57.3 98.5,57.3 v1(98.05,56.85)
DDR2_2_DQ11: IC8.AA9 IC12.D3 | length 22.2
  Top w0.4: v1(88.55,51.1) IC8.AA9@89.05,50.6 ; v1(98.05,60.05) IC12.D3@98.45,60.45
  L3 w0.1: v1(88.55,51.1) 88.1,51.55 88.1,51.575 88.1,51.83 88.1,52.134 cw(c88.404,52.134) 88.404,52.438 89.066,52.438 ccw(c89.066,52.742) 89.37,52.742 ccw(c89.066,52.742) 89.066,53.046 88.404,53.046 cw(c88.404,53.35) 88.1,53.35 88.1,54.125 88.1,54.28 88.1,54.584 cw(c88.404,54.584) 88.404,54.888 88.812,54.888 ccw(c88.812,55.192) 89.116,55.192 ccw(c88.812,55.192) 88.812,55.496 88.404,55.496 cw(c88.404,55.8) 88.1,55.8 88.1,56.025 89.275,57.2 90.175,57.2 90.4,57.425 90.4,58.333 91.567,59.5 97.75,59.5 98.05,59.8 v1(98.05,60.05)
DDR2_2_DQ12: IC8.AB8 IC12.D1 | length 22
  Top w0.4: IC8.AB8@90.05,51.6 v1(90.55,52.1) ; IC12.D1@98.45,62.05 v1(98.85,62.45)
  L3 w0.1: v1(90.55,52.1) 91.55,52.1 92.9,53.45 92.9,53.775 92.9,53.976 ccw(c92.596,53.976) 92.596,54.28 92.188,54.28 cw(c92.188,54.584) 91.884,54.584 cw(c92.188,54.584) 92.188,54.888 92.596,54.888 ccw(c92.596,55.192) 92.9,55.192 92.9,55.496 92.9,55.8 92.9,58.75 93.1,58.95 99.045,58.95 100.1,60.005 100.1,61.695 99.795,62 99.3,62 v1(98.85,62.45)
DDR2_2_DQ13: IC8.W11 IC12.D9 | length 22
  Top w0.4: IC8.W11@87.05,48.6 v1(87.55,49.1) ; v1(98.05,55.25) IC12.D9@98.45,55.65
  L3 w0.1: v1(87.55,49.1) 87.825,49.1 87.975,49.25 87.975,50.6 88.125,50.75 88.75,50.75 88.9,50.6 88.9,48.8 89.1,48.6 89.55,48.6 90.525,49.575 93.53,49.575 94.865,50.91 94.9,50.945 94.9,51.005 94.9,51.309 cw(c95.204,51.309) 95.204,51.613 95.396,51.613 ccw(c95.396,51.917) 95.7,51.917 ccw(c95.396,51.917) 95.396,52.221 95.204,52.221 cw(c95.204,52.525) 94.9,52.525 94.9,52.775 95.45,53.325 97.817,53.325 98.9,54.408 98.9,54.705 98.355,55.25 v1(98.05,55.25)
DDR2_2_DQ14: IC8.Y11 IC12.B1 | length 22.1
  Top w0.4: v1(86.55,50.1) IC8.Y11@87.05,49.6 ; v1(99.65,61.65) IC12.B1@100.05,62.05
  L3 w0.1: v1(86.55,50.1) 86.55,50.605 87.9,51.955 87.9,56.116 91.484,59.7 96.595,59.7 96.8,59.905 96.8,60.325 98.125,61.65 v1(99.65,61.65)
DDR2_2_DQ15: IC8.AA10 IC12.B9 | length 21.7
  Top w0.4: v1(87.55,50.1) IC8.AA10@88.05,50.6 ; v1(99.65,55.25) IC12.B9@100.05,55.65
  L3 w0.1: v1(87.55,50.1) 87.2,49.75 87.2,48.325 87.775,47.75 89.705,47.75 90.705,48.75 94.695,48.75 95.451,49.506 95.451,50.126 96.1,50.775 96.1,52.145 96.405,52.45 99.025,52.45 100,53.425 100,54.9 v1(99.65,55.25)
DDR2_2_DQS0: IC8.Y8 IC12.F7 | length 13.5
  Top w0.4: IC8.Y8@90.05,49.6 v1(90.55,49.1) ; v1(96.45,56.85) IC12.F7@96.85,57.25
  L5 w0.1: v1(90.55,49.1) 92.2,50.75 95.75,50.75 96,51 96,56.4 v1(96.45,56.85)
DDR2_2_DQS0N: IC12.E8 R82.2 | length 2.1
  Top w0.4: v1(97.25,56.05) IC12.E8@97.65,56.45
  Bottom w0.2: v1(97.25,56.05) 97.65,56.45 R82.2@97.65,57.45
DDR2_2_DQS1: IC8.Y10 IC12.B7 | length 18.1
  Top w0.4: IC8.Y10@88.05,49.6 v1(88.55,50.1) ; v1(99.65,56.85) IC12.B7@100.05,57.25
  L5 w0.1: v1(88.55,50.1) 89.045,50.1 90.395,48.75 94.705,48.75 99.2,53.245 99.2,56.4 v1(99.65,56.85)
DDR2_2_DQS1N: IC12.A8 R83.2 | length 1.4
  Top w0.4: v1(100.45,56.05) IC12.A8@100.85,56.45
  Bottom w0.4: v1(100.45,56.05) R83.2@101.25,56.05
DDR2_2_ODT: IC8.W18 IC12.K9 R80.3 | length 25.5
  Top w0.1: R80.3@87.5,54.7 87.55,54.65 92.65,54.65 v1(93.25,55.25)
  Top w0.4: v1(79.55,49.1) IC8.W18@80.05,48.6 ; v1(93.25,55.25) IC12.K9@93.65,55.65
  L9 w0.1: v1(79.55,49.1) 80.055,49.1 80.2,48.955 82.405,46.75 82.695,46.75 90.845,54.9 92.9,54.9 v1(93.25,55.25)
DDR2_2_RASN: IC8.U14 IC12.K7 R78.4 | length 30.4
  Top w0.1: R78.4@87.5,59.7 89,59.7 89.25,59.45 91.45,59.45 v1(93.25,57.65) IC12.K7@93.65,57.25
  Top w0.4: v1(83.55,47.1) IC8.U14@84.05,46.6
  L5 w0.1: v1(83.55,47.1) 83.055,47.1 82.2,46.245 82.2,45.955 82.405,45.75 84.695,45.75 84.9,45.955 84.9,46.275 85.275,46.65 85.595,46.65 85.9,46.955 85.9,48.945 89.405,52.45 90.875,52.45 91.825,53.4 92.695,53.4 94.4,55.105 94.4,56.5 v1(93.25,57.65)
DDR2_2_WEN: IC8.T15 IC12.K3 R80.2 | length 23
  Top w0.1: R80.2@87.5,54.2 88.225,54.2 88.65,53.775 v1(88.65,53.65)
  Top w0.4: v1(82.55,46.1) IC8.T15@83.05,45.6 ; v1(93.25,60.05) IC12.K3@93.65,60.45
  L5 w0.1: v1(82.55,46.1) 83.055,46.1 84.9,47.945 84.9,49.4 86.125,50.625 86.125,51.18 88.595,53.65 v1(88.65,53.65) 89.325,54.325 91.7,54.325 92.9,55.525 92.9,57.067 92.65,57.317 92.65,59.175 93.25,59.775 v1(93.25,60.05)
FAN_CTRL: IC8.K13 VT5.G | length 56.2
  Top w0.4: v1(84.55,40.1) IC8.K13@85.05,39.6
  L3 w0.1: v1(84.55,40.1) 84.55,41.595 91.455,48.5 95.445,48.5 96.2,49.255 96.2,50.25 96.5,50.55 97.595,50.55 97.9,50.245 97.9,39.58 112.605,24.875 v1(116.6,24.875)
  Bottom w0.6: v1(116.6,24.875) VT5.G@117.35,24.875